# Altium PCB TempdevAmmy1009.PcbDoc (part 2 of 4) (continued)
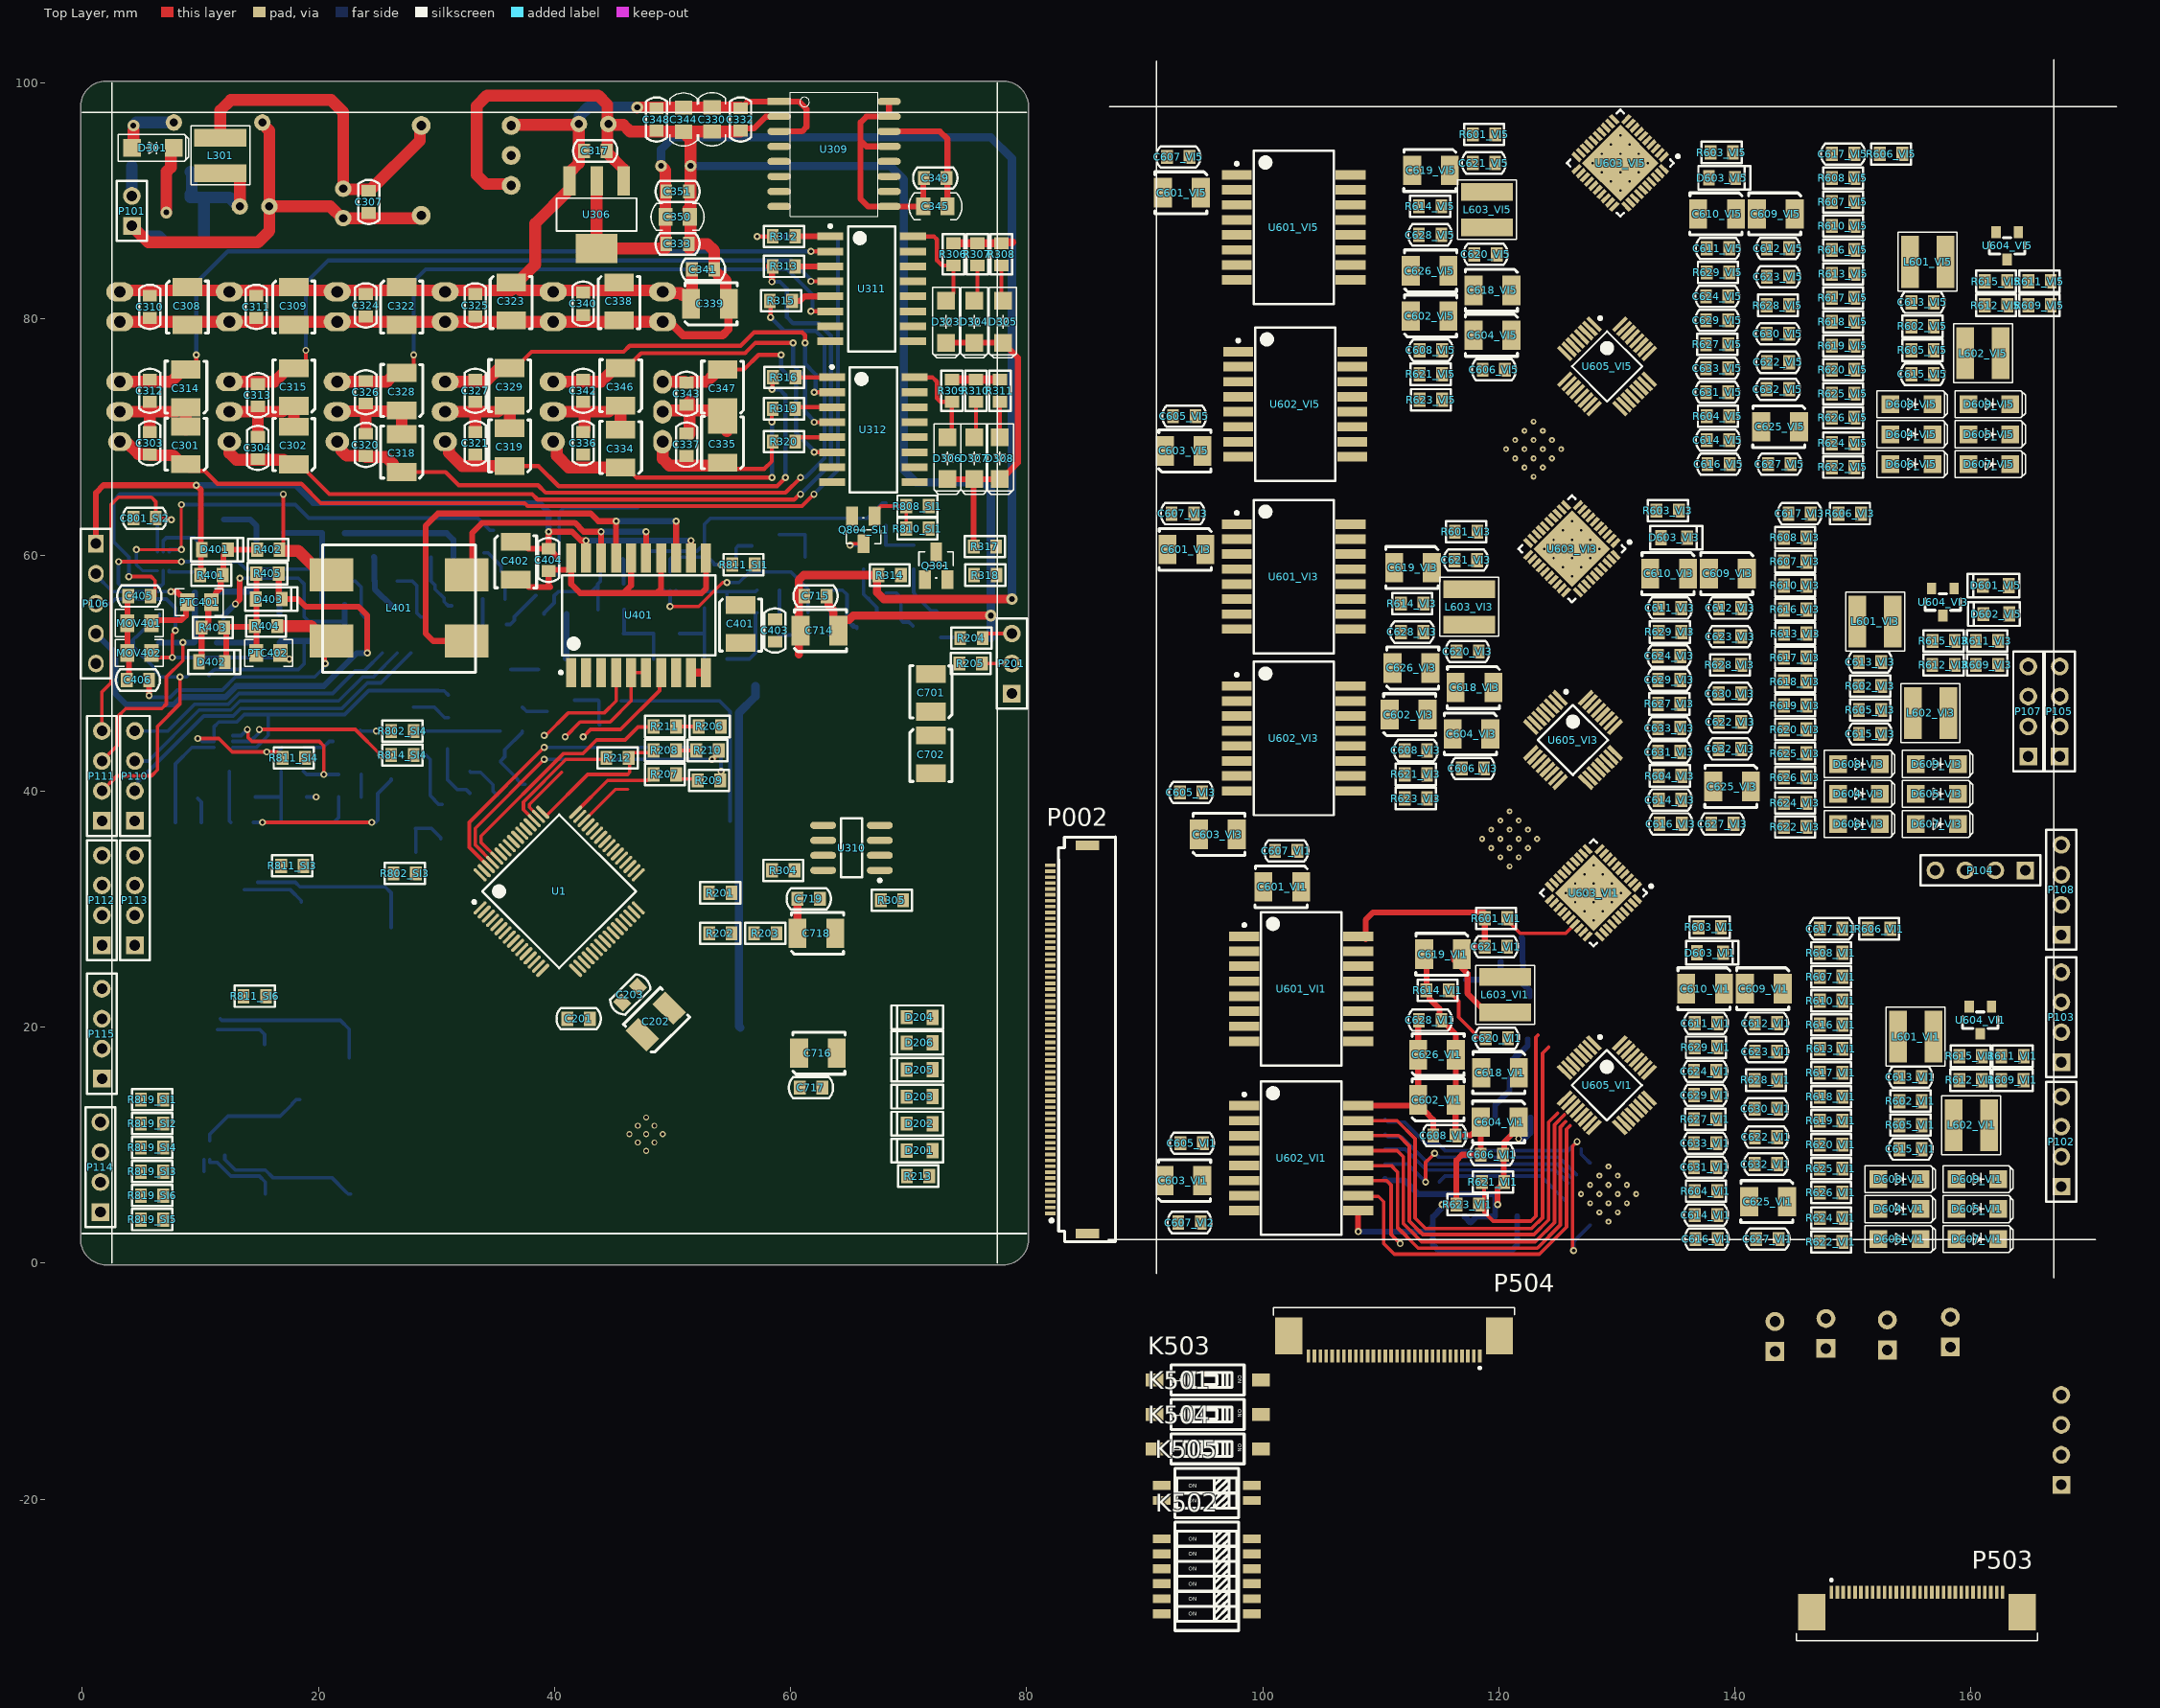
[diagram p0: Top Layer view]
## Components (designator, comment, footprint, x,y, rotation, side; value= is the part's Value field where it differs from the comment) (continued)
R626_VI5 "RT0603CRD0710KL" 0603R 149.159,71.628 r180 top (schematic designator R626)
R626_VI6 "RT0603CRD0710KL" 0603R 144.673,59.502 r180 bottom (schematic designator R626)
R627_VI1 "RC0603JR-07150KL" 0603R 137.48,12.192 r0 top (schematic designator R627)
R627_VI2 "RC0603JR-07150KL" 0603R 137.353,18.161 r0 bottom (schematic designator R627)
R627_VI3 "RC0603JR-07150KL" 0603R 134.432,47.371 r0 top (schematic designator R627)
R627_VI4 "RC0603JR-07150KL" 0603R 138.369,84.074 r0 bottom (schematic designator R627)
R627_VI5 "RC0603JR-07150KL" 0603R 138.496,77.851 r0 top (schematic designator R627)
R627_VI6 "RC0603JR-07150KL" 0603R 134.01,53.279 r0 bottom (schematic designator R627)
R628_VI1 "RC0603FR-071M62L" 0603R 142.621,15.494 r0 top (schematic designator R628)
R628_VI2 "RC0603FR-071M62L" 0603R 142.494,14.859 r0 bottom (schematic designator R628)
R628_VI3 "RC0603FR-071M62L" 0603R 139.573,50.673 r0 top (schematic designator R628)
R628_VI4 "RC0603FR-071M62L" 0603R 143.51,80.772 r0 bottom (schematic designator R628)
R628_VI5 "RC0603FR-071M62L" 0603R 143.637,81.153 r0 top (schematic designator R628)
R628_VI6 "RC0603FR-071M62L" 0603R 139.151,49.977 r0 bottom (schematic designator R628)
R629_VI1 "RC0603FR-071M62L" 0603R 137.541,18.288 r180 top (schematic designator R629)
R629_VI2 "RC0603FR-071M62L" 0603R 137.414,12.065 r180 bottom (schematic designator R629)
R629_VI3 "RC0603FR-071M62L" 0603R 134.493,53.467 r180 top (schematic designator R629)
R629_VI4 "RC0603FR-071M62L" 0603R 138.43,77.978 r180 bottom (schematic designator R629)
R629_VI5 "RC0603FR-071M62L" 0603R 138.557,83.947 r180 top (schematic designator R629)
R629_VI6 "RC0603FR-071M62L" 0603R 134.071,47.183 r180 bottom (schematic designator R629)
R701 "RC0805JR-075600RL" 0603R 47.818,18.542 r180 bottom value=5.6K
R702 "RC0805JR-071KL" 0603R 47.691,27.051 r180 bottom value=1K
R703 "RC0805JR-071KL" 0603R 47.691,22.987 r180 bottom value=1K
R704 "RC0805JR-07470RL" 0603R 51.623,20.828 r180 bottom value=470
R705 "RC0805JR-000KL" 0603R 51.623,16.51 r180 bottom value=0R
R706 "RC0805JR-071KL" 0603R 38.801,22.606 r0 bottom value=1K
R707 "RC0805JR-075600RL" 0603R 38.796,20.574 r0 bottom value=5.6K
R708 "RC0805JR-071KL" 0603R 38.801,18.542 r180 bottom value=1K
R801_SI1 "RC0805JR-0710KL" 0603R 67.122,58.801 r0 bottom value=10K (schematic designator R801)
R801_SI2 "RC0805JR-0710KL" 0603R 25.654,59.817 r0 bottom value=10K (schematic designator R801)
R801_SI3 "RC0805JR-0710KL" 0603R 32.065,29.464 r180 bottom value=10K (schematic designator R801)
R801_SI4 "RC0805JR-0710KL" 0603R 31.877,43.688 r0 bottom value=10K (schematic designator R801)
R801_SI5 "RC0805JR-0710KL" 0603R 28.768,5.08 r0 bottom value=10K (schematic designator R801)
R801_SI6 "RC0805JR-0710KL" 0603R 28.636,20.828 r0 bottom value=10K (schematic designator R801)
R802_SI1 "RC0805JR-0710KL" 0603R 62.164,59.817 r0 bottom value=10K (schematic designator R802)
R802_SI2 "RC0805JR-0710KL" 0603R 21.27,59.817 r0 bottom value=10K (schematic designator R802)
R802_SI3 "RC0805JR-0710KL" 0603R 27.305,33.02 r0 top value=10K (schematic designator R802)
R802_SI4 "RC0805JR-0710KL" 0603R 27.112,45.085 r0 top value=10K (schematic designator R802)
R802_SI5 "RC0805JR-0710KL" 0603R 23.622,7.874 r0 bottom value=10K (schematic designator R802)
R802_SI6 "RC0805JR-0710KL" 0603R 23.81,21.59 r0 bottom value=10K (schematic designator R802)
R803_SI1 "RC0805JR-0710KL" 0603R 62.164,61.722 r0 bottom value=10K (schematic designator R803)
R803_SI2 "RC0805JR-0710KL" 0603R 21.27,61.849 r0 bottom value=10K (schematic designator R803)
R803_SI3 "RC0805JR-0710KL" 0603R 27.305,32.893 r0 bottom value=10K (schematic designator R803)
R803_SI4 "RC0805JR-0710KL" 0603R 27.112,45.085 r0 bottom value=10K (schematic designator R803)
R803_SI5 "RC0805JR-0710KL" 0603R 23.622,9.779 r0 bottom value=10K (schematic designator R803)
R803_SI6 "RC0805JR-0710KL" 0603R 23.81,23.622 r0 bottom value=10K (schematic designator R803)
R804_SI1 "RC0805JR-0710KL" 0603R 67.122,56.769 r0 bottom value=10K (schematic designator R804)
R804_SI2 "RC0805JR-0710KL" 0603R 25.72,57.785 r0 bottom value=10K (schematic designator R804)
R804_SI3 "RC0805JR-0710KL" 0603R 36.322,47.117 r0 bottom value=10K (schematic designator R804)
R804_SI4 "RC0805JR-0710KL" 0603R 31.877,41.656 r0 bottom value=10K (schematic designator R804)
R804_SI5 "RC0805JR-0710KL" 0603R 28.768,7.112 r0 bottom value=10K (schematic designator R804)
R804_SI6 "RC0805JR-0710KL" 0603R 28.575,22.86 r0 bottom value=10K (schematic designator R804)
R805_SI1 "RC0805JR-0710KL" 0603R 71.374,58.801 r0 bottom value=10K (schematic designator R805)
R805_SI2 "RC0805JR-0710KL" 0603R 30.48,59.817 r0 bottom value=10K (schematic designator R805)
R805_SI3 "RC0805JR-0710KL" 0603R 44.704,47.752 r0 bottom value=10K (schematic designator R805)
R805_SI4 "RC0805JR-0710KL" 0603R 36.322,45.085 r180 bottom value=10K (schematic designator R805)
R805_SI5 "RC0805JR-0710KL" 0603R 28.641,14.859 r180 bottom value=10K (schematic designator R805)
R805_SI6 "RC0805JR-0710KL" 0603R 38.674,4.953 r180 bottom value=10K (schematic designator R805)
R806_SI1 "RC0805JR-0710KL" 0603R 71.44,56.769 r0 bottom value=10K (schematic designator R806)
R806_SI2 "RC0805JR-0710KL" 0603R 30.48,57.785 r0 bottom value=10K (schematic designator R806)
R806_SI3 "RC0805JR-0710KL" 0603R 44.704,45.847 r0 bottom value=10K (schematic designator R806)
R806_SI4 "RC0805JR-0710KL" 0603R 36.383,42.545 r0 bottom value=10K (schematic designator R806)
R806_SI5 "RC0805JR-0710KL" 0603R 28.641,12.827 r180 bottom value=10K (schematic designator R806)
R806_SI6 "RC0805JR-0710KL" 0603R 38.674,6.985 r180 bottom value=10K (schematic designator R806)
R807_SI1 "RC0805JR-0720RL" 0603R 67.117,60.833 r0 bottom value=20 (schematic designator R807)
R807_SI2 "RC0805JR-0720RL" 0603R 34.859,56.261 r0 bottom value=20 (schematic designator R807)
R807_SI3 "RC0805JR-0720RL" 0603R 31.303,35.941 r180 bottom value=20 (schematic designator R807)
R807_SI4 "RC0805JR-0720RL" 0603R 35.118,50.292 r180 bottom value=20 (schematic designator R807)
R807_SI5 "RC0805JR-0720RL" 0603R 23.622,11.684 r180 bottom value=20 (schematic designator R807)
R807_SI6 "RC0805JR-0720RL" 0603R 33.34,14.859 r0 bottom value=20 (schematic designator R807)
R808_SI1 "RC0805JR-0710KL" 0603R 70.739,64.135 r0 top value=10K (schematic designator R808)
R808_SI2 "RC0805JR-0710KL" 0603R 39.37,58.928 r0 bottom value=10K (schematic designator R808)
R808_SI3 "RC0805JR-0710KL" 0603R 38.674,11.049 r180 bottom value=10K (schematic designator R808)
R808_SI4 "RC0805JR-0710KL" 0603R 40.066,52.959 r180 bottom value=10K (schematic designator R808)
R808_SI5 "RC0805JR-0710KL" 0603R 33.34,7.112 r180 bottom value=10K (schematic designator R808)
R808_SI6 "RC0805JR-0710KL" 0603R 33.467,20.828 r180 bottom value=10K (schematic designator R808)
R809_SI1 "RC0805JR-0710KL" 0603R 71.374,60.833 r0 bottom value=10K (schematic designator R809)
R809_SI2 "RC0805JR-0710KL" 0603R 34.864,58.293 r180 bottom value=10K (schematic designator R809)
R809_SI3 "RC0805JR-0710KL" 0603R 27.305,34.798 r180 bottom value=10K (schematic designator R809)
R809_SI4 "RC0805JR-0710KL" 0603R 27.112,47.117 r180 bottom value=10K (schematic designator R809)
R809_SI5 "RC0805JR-0710KL" 0603R 23.622,13.589 r0 bottom value=10K (schematic designator R809)
R809_SI6 "RC0805JR-0710KL" 0603R 33.34,12.827 r180 bottom value=10K (schematic designator R809)
R810_SI1 "RC0805JR-0710KL" 0603R 70.739,62.23 r0 top value=10K (schematic designator R810)
R810_SI2 "RC0805JR-0710KL" 0603R 39.37,56.896 r0 bottom value=10K (schematic designator R810)
R810_SI3 "RC0805JR-0710KL" 0603R 38.669,9.017 r180 bottom value=10K (schematic designator R810)
R810_SI4 "RC0805JR-0710KL" 0603R 40.066,54.991 r180 bottom value=10K (schematic designator R810)
R810_SI5 "RC0805JR-0710KL" 0603R 33.34,5.08 r180 bottom value=10K (schematic designator R810)
R810_SI6 "RC0805JR-0710KL" 0603R 33.467,22.606 r180 bottom value=10K (schematic designator R810)
R811_SI1 "RC0805JR-0710KL" 0603R 56.007,59.182 r180 top value=10K (schematic designator R811)
R811_SI2 "RC0805JR-0710KL" 0603R 11.049,60.96 r180 bottom value=10K (schematic designator R811)
R811_SI3 "RC0805JR-0710KL" 0603R 17.78,33.655 r180 top value=10K (schematic designator R811)
R811_SI4 "RC0805JR-0710KL" 0603R 17.907,42.799 r180 top value=10K (schematic designator R811)
R811_SI5 "RC0805JR-0710KL" 0603R 14.666,9.144 r180 bottom value=10K (schematic designator R811)
R811_SI6 "RC0805JR-0710KL" 0603R 14.605,22.606 r180 top value=10K (schematic designator R811)
R812_SI1 "RC0805JR-0720RL" 0603R 54.483,59.182 r180 bottom value=20 (schematic designator R812)
R812_SI2 "RC0805JR-0720RL" 0603R 11.049,62.992 r180 bottom value=20 (schematic designator R812)
R812_SI3 "RC0805JR-0720RL" 0603R 17.719,33.655 r180 bottom value=20 (schematic designator R812)
R812_SI4 "RC0805JR-0720RL" 0603R 17.846,43.688 r180 bottom value=20 (schematic designator R812)
R812_SI5 "RC0805JR-0720RL" 0603R 14.666,11.176 r180 bottom value=20 (schematic designator R812)
R812_SI6 "RC0805JR-0720RL" 0603R 14.605,22.606 r180 bottom value=20 (schematic designator R812)
R813_SI1 "RC0805JR-0720RL" 0603R 62.418,57.023 r180 bottom value=20 (schematic designator R813)
R813_SI2 "RC0805JR-0720RL" 0603R 21.27,57.785 r180 bottom value=20 (schematic designator R813)
R813_SI3 "RC0805JR-0720RL" 0603R 27.112,30.48 r180 bottom value=20 (schematic designator R813)
R813_SI4 "RC0805JR-0720RL" 0603R 27.112,43.053 r180 bottom value=20 (schematic designator R813)
R813_SI5 "RC0805JR-0720RL" 0603R 23.622,5.588 r180 bottom value=20 (schematic designator R813)
R813_SI6 "RC0805JR-0720RL" 0603R 23.556,17.399 r180 bottom value=20 (schematic designator R813)
R814_SI1 "RC0805JR-0710KL" 0603R 62.418,55.118 r180 bottom value=10K (schematic designator R814)
R814_SI2 "RC0805JR-0710KL" 0603R 21.27,55.753 r180 bottom value=10K (schematic designator R814)
R814_SI3 "RC0805JR-0710KL" 0603R 27.112,28.448 r180 bottom value=10K (schematic designator R814)
R814_SI4 "RC0805JR-0710KL" 0603R 27.112,43.053 r180 top value=10K (schematic designator R814)
R814_SI5 "RC0805JR-0710KL" 0603R 23.622,3.556 r180 bottom value=10K (schematic designator R814)
R814_SI6 "RC0805JR-0710KL" 0603R 23.556,15.494 r180 bottom value=10K (schematic designator R814)
R815_SI1 "RC0805JR-07100RL" 0603R 53.655,55.499 r0 bottom value=100R (schematic designator R815)
R815_SI2 "RC0805JR-07100RL" 0603R 10.541,56.896 r0 bottom value=100R (schematic designator R815)
R815_SI3 "RC0805JR-07100RL" 0603R 17.526,30.353 r0 bottom value=100R (schematic designator R815)
R815_SI4 "RC0805JR-07100RL" 0603R 17.78,41.656 r0 bottom value=100R (schematic designator R815)
R815_SI5 "RC0805JR-07100RL" 0603R 14.539,5.842 r0 bottom value=100R (schematic designator R815)
R815_SI6 "RC0805JR-07100RL" 0603R 14.478,18.542 r0 bottom value=100R (schematic designator R815)
R816_SI1 "RC0805JR-071KL" 0603R 53.655,51.181 r180 bottom value=1K (schematic designator R816)
R816_SI2 "RC0805JR-071KL" 0603R 10.414,52.578 r180 bottom value=1K (schematic designator R816)
R816_SI3 "RC0805JR-071KL" 0603R 17.587,26.416 r180 bottom value=1K (schematic designator R816)
R816_SI4 "RC0805JR-071KL" 0603R 17.714,37.338 r180 bottom value=1K (schematic designator R816)
R816_SI5 "RC0805JR-071KL" 0603R 14.412,1.524 r180 bottom value=1K (schematic designator R816)
R816_SI6 "RC0805JR-071KL" 0603R 14.158,14.351 r180 bottom value=1K (schematic designator R816)
R817_SI1 "RC0805JR-071KL" 0603R 49.337,51.181 r180 bottom value=1K (schematic designator R817)
R817_SI2 "RC0805JR-071KL" 0603R 10.033,49.911 r180 bottom value=1K (schematic designator R817)
R817_SI3 "RC0805JR-071KL" 0603R 13.015,26.416 r180 bottom value=1K (schematic designator R817)
R817_SI4 "RC0805JR-071KL" 0603R 13.523,37.338 r180 bottom value=1K (schematic designator R817)
R817_SI5 "RC0805JR-071KL" 0603R 10.348,3.683 r180 bottom value=1K (schematic designator R817)
R817_SI6 "RC0805JR-071KL" 0603R 9.718,14.986 r180 bottom value=1K (schematic designator R817)
R818_SI1 "RC0805JR-07100RL" 0603R 44.897,53.34 r0 bottom value=100R (schematic designator R818)
R818_SI2 "RC0805JR-07100RL" 0603R 5.527,49.784 r0 bottom value=100R (schematic designator R818)
R818_SI3 "RC0805JR-07100RL" 0603R 8.575,24.638 r0 bottom value=100R (schematic designator R818)
R818_SI4 "RC0805JR-07100RL" 0603R 13.396,41.656 r180 bottom value=100R (schematic designator R818)
R818_SI5 "RC0805JR-07100RL" 0603R 6.035,3.683 r0 bottom value=100R (schematic designator R818)
R818_SI6 "RC0805JR-07100RL" 0603R 5.781,12.446 r0 bottom value=100R (schematic designator R818)
R819_SI1 "RC0805JR-07470RL" 0603R 5.908,13.843 r180 top value=470 (schematic designator R819)
R819_SI2 "RC0805JR-07470RL" 0603R 5.908,11.811 r180 top value=470 (schematic designator R819)
R819_SI3 "RC0805JR-07470RL" 0603R 5.908,7.747 r180 top value=470 (schematic designator R819)
R819_SI4 "RC0805JR-07470RL" 0603R 5.908,9.779 r180 top value=470 (schematic designator R819)
R819_SI5 "RC0805JR-07470RL" 0603R 5.908,3.683 r180 top value=470 (schematic designator R819)
R819_SI6 "RC0805JR-07470RL" 0603R 5.908,5.715 r180 top value=470 (schematic designator R819)
U1 "STC8H8K64U_QFN64" LQFP64S(12X12) 40.386,31.496 r45 top (schematic designator U201)
U301 "A05_S-1WR3" A_S-1WR3#1 3.175,82.296 r270 bottom
U302 "A05_S-1WR3" A_S-1WR3#1 12.446,82.296 r270 bottom
U303 "WRB_ST(SD)-3WR2" WRB_SD-3WR2 28.702,88.773 r0 bottom
U304 "A05_S-1WR3" A_S-1WR3#1 21.59,82.296 r270 bottom locked
U305 "A05_S-1WR3" A_S-1WR3#1 30.734,82.296 r270 bottom
U306 "LM1117IMP" SOT-223 43.561,91.694 r90 top
U307 "A05_S-1WR3" A_S-1WR3#1 39.878,82.296 r270 bottom
U308 "A05_S-1WR3" A_S-1WR3#2 49.149,82.296 r270 bottom
U309 "B0505ST16-W5" SOP16-1.27(V2) 59.026,98.425 r0 top
U310 "HCPL063A" SOIC-8 65.151,35.179 r180 top
U311 "TLP293-4" SO-16 63.302,86.995 r0 top
U312 "TLP293-4" SO-16 63.444,75.057 r0 top
U401 "ADM2582E" SOIC-20-W 41.402,50.062 r90 top
U501 "TPS61040DBV" SOT-23-5 126.426,-6.723 r90 bottom
U503 "TPS61040DBV" SOT-23-5 126.426,-13.387 r90 bottom
U601_VI1 "ADuM262N" SOIC-16(RI-16-2) 103.251,23.241 r0 top (schematic designator U601)
U601_VI2 "ADuM262N" SOIC-16(RI-16-2) 105.537,11.557 r0 bottom (schematic designator U601)
U601_VI3 "ADuM262N" SOIC-16(RI-16-2) 102.616,58.166 r0 top (schematic designator U601)
U601_VI4 "ADuM262N" SOIC-16(RI-16-2) 102.234,75.946 r0 bottom (schematic designator U601)
U601_VI5 "ADuM262N" SOIC-16(RI-16-2) 102.616,87.757 r0 top (schematic designator U601)
U601_VI6 "ADuM262N" SOIC-16(RI-16-2) 103.378,46.482 r0 bottom (schematic designator U601)
U602_VI1 "ADuM262N" SOIC-16(RI-16-2) 103.251,8.89 r0 top (schematic designator U602)
U602_VI2 "ADuM262N" SOIC-16(RI-16-2) 105.41,24.892 r0 bottom (schematic designator U602)
U602_VI3 "ADuM262N" SOIC-16(RI-16-2) 102.617,44.45 r0 top (schematic designator U602)
U602_VI4 "ADuM262N" SOIC-16(RI-16-2) 102.236,90.043 r0 bottom (schematic designator U602)
U602_VI5 "ADuM262N" SOIC-16(RI-16-2) 102.743,72.771 r0 top (schematic designator U602)
U602_VI6 "ADuM262N" SOIC-16(RI-16-2) 103.378,60.452 r0 bottom (schematic designator U602)
U603_VI1 "AD5753" CP-40-15(QFN40) 128.016,31.369 r225 top (schematic designator U603)
U603_VI2 "AD5753" CP-40-15(QFN40) 129.286,5.842 r135 bottom (schematic designator U603)
U603_VI3 "AD5753" CP-40-15(QFN40) 126.188,60.519 r225 top (schematic designator U603)
U603_VI4 "AD5753" CP-40-15(QFN40) 122.936,68.961 r135 bottom (schematic designator U603)
U603_VI5 "AD5753" CP-40-15(QFN40) 130.28,93.212 r225 top (schematic designator U603)
U603_VI6 "AD5753" CP-40-15(QFN40) 120.904,35.941 r135 bottom (schematic designator U603)
U604_VI1 "TL431" TL431 160.796,20.621 r180 top (schematic designator U604)
U604_VI2 "TL431" TL431 161.939,9.859 r180 bottom (schematic designator U604)
U604_VI3 "TL431" TL431 157.621,56.054 r180 top (schematic designator U604)
U604_VI4 "TL431" TL431 162.955,75.645 r180 bottom (schematic designator U604)
U604_VI5 "TL431" TL431 163.068,86.233 r180 top (schematic designator U604)
U604_VI6 "TL431" TL431 158.623,45.085 r180 bottom (schematic designator U604)
U605_VI1 "DAC8742H" S-PQFP-G32 129.144,15.066 r315 top (schematic designator U605)
U605_VI2 "DAC8742H" S-PQFP-G32 129.57,22.858 r45 bottom (schematic designator U605)
U605_VI3 "DAC8742H" S-PQFP-G32 126.268,44.321 r315 top (schematic designator U605)
U605_VI4 "DAC8742H" S-PQFP-G32 125.887,85.088 r45 bottom (schematic designator U605)
U605_VI5 "DAC8742H" S-PQFP-G32 129.161,75.976 r315 top (schematic designator U605)
U605_VI6 "DAC8742H" S-PQFP-G32 126.238,51.181 r45 bottom (schematic designator U605)
U701 "AD7124-8" TI-RHB32-3150X3150TP_V 47.752,10.922 r45 bottom
U702 "ADuM260N" SOIC-16 57.023,34.034 r270 bottom
U703 "ADuM260N" SOIC-16 57.023,48.893 r270 bottom
U704 "ADuM241D" SOIC-16 57.023,19.81 r270 bottom

## Footprints (in the part's own frame and the unit in brackets; to place one, negate y for a bottom-side part, rotate by r counter-clockwise, add the part's x,y. Pads: shape width x height; smd on the part's side, far side on the other; paste and mask are expansions set on the pad)
1.27-6P-TPHS [mil]
  rect 60x30 smd mask+2: 1(0,1.5) 2(0,-48.5) 3(0,-98.5) 4(0,-148.5) 5(0,-198.5) 6(0,-248.5) 7(300,-248.5) 8(300,-198.5) 9(300,-148.5) 10(300,-98.5) 11(300,-48.5) 12(300,1.5)
  silkscreen extent 44,-305 256,58
3-1734839-0 [mm]
  rect 0.3x1.1 smd: 1(1.64,1.778) 2(2.14,1.778) 3(2.64,1.778) 4(3.14,1.778) 5(3.64,1.778) 6(4.14,1.778) 7(4.64,1.778) 8(5.14,1.778) 9(5.64,1.778) 10(6.14,1.778) 11(6.64,1.778) 12(7.14,1.778) 13(7.64,1.778) 14(8.14,1.778) 15(8.64,1.778) 16(9.14,1.778) 17(9.64,1.778) 18(10.14,1.778) 19(10.64,1.778) 20(11.14,1.778) 21(11.64,1.778) 22(12.14,1.778) 23(12.64,1.778) 24(13.14,1.778) 25(13.64,1.778) 26(14.14,1.778) 27(14.64,1.778) 28(15.14,1.778) 29(15.64,1.778) 30(16.14,1.778)
  rect 2.3x3.1 smd: S1(-0.03,0.078) S2(17.81,0.078)
  silkscreen extent -1.33,-2.32 19.11,2.9, body extent -1.33,-2.95 19.1,2.16, height 2.1
10D470K [mm]
  round 1.4 hole 0.7: 1(-3.75,0) 2(3.75,0)
  silkscreen extent -6.5,-2.7 6.5,2.7
0603C [mm]
  rect 1x1.2 smd: 1(-0.95,0) 2(0.95,0)
  silkscreen extent -1.87,-0.9 1.87,0.9, body extent -0.8,-0.43 0.8,0.43, height 0.83
0603R [mm]
  rect 1x1.2 smd: 1(-0.95,0) 2(0.95,0)
  silkscreen extent -1.7,-0.9 1.7,0.9, body extent -0.8,-0.43 0.8,0.43, height 0.48
0805C [mm]
  rect 1.2x1.5 smd: 1(-1.016,0) 2(1.032,0)
  silkscreen extent -2.25,-1.14 2.25,1.14, body extent -1,-0.64 1,0.65, height 1.28
0805R [mm]
  rect 1.2x1.5 smd: 1(-1.016,0) 2(1.032,0)
  silkscreen extent -2.03,-1.14 2.03,1.14, body extent -1,-0.62 1,0.63, height 0.53
A_S-1WR3#1 [mm]
  oval 1.6x2.3 hole 1: 1(0,0) 2(2.54,0) 4(7.62,0) 5(10.16,0)
  oval 1.6x2 hole 1: 6(12.7,0)
  silkscreen extent -2.85,-5.6 17.9,1.7, body extent -2.46,-5.16 17.19,0.84, height 10.16
A_S-1WR3#2 [mm]
  oval 1.6x2.3 hole 1: 1(0,0) 2(2.54,0)
  oval 2x1.6 hole 1: 4(7.62,0) 5(10.16,0) 6(12.7,0)
  silkscreen extent -2.85,-5.6 17.9,1.7, body extent -2.46,-5.16 17.19,0.84, height 10.16
ACM1513-改版 [mm] "原封装引脚错了-改版将引脚更改"
  rect 3.7x2.8 smd: 1(0,0) 2(0,5.611) 3(11.468,5.611) 4(11.468,0)
  silkscreen extent -0.75,-2.54 12.19,8.26, body extent -1.79,-3.6 13.22,9.4, height 5.87
CB [mm]
  rect 2.5x1.524 smd: 1(0,0) 2(0,-3.2)
  silkscreen extent -1.78,-3.9 1.78,0.51, body extent -0.67,-3.12 0.93,0.08, height 1.6
CE-5*11(-) [mm]
  round 1 hole 0.5: 1(-1.25,0) 2(1.25,0)
  silkscreen extent -3.43,-2.6 3.05,2.6, body extent -2.6,-2.64 2.6,2.54, height 11.47
CE-6.3*11.5(-) [mm]
  round 1.4 hole 0.7: 1(-1.25,0) 2(1.25,0)
  silkscreen extent -4.06,-3.2 3.68,3.2, body extent -3.16,-3.15 3.15,3.15, height 11.51
CP-40-15(QFN40) [mm] "QFN, 40-Leads, Body 6.00x6.00mm, Pitch 0.50mm, Thermal Pad 4.60x4.60mm, IPC Low Density"
  rect 0.95x0.35 smd: 1(-2.975,2.25) 2(-2.975,1.75) 3(-2.975,1.25) 4(-2.975,0.75) 5(-2.975,0.25) 6(-2.975,-0.25) 7(-2.975,-0.75) 8(-2.975,-1.25) 9(-2.975,-1.75) 10(-2.975,-2.25) 21(2.975,-2.25) 22(2.975,-1.75) 23(2.975,-1.25) 24(2.975,-0.75) 25(2.975,-0.25) 26(2.975,0.25) 27(2.975,0.75) 28(2.975,1.25) 29(2.975,1.75) 30(2.975,2.25)
  rect 0.35x0.95 smd: 11(-2.25,-2.975) 12(-1.75,-2.975) 13(-1.25,-2.975) 14(-0.75,-2.975) 15(-0.25,-2.975) 16(0.25,-2.975) 17(0.75,-2.975) 18(1.25,-2.975) 19(1.75,-2.975) 20(2.25,-2.975) 31(2.25,2.975) 32(1.75,2.975) 33(1.25,2.975) 34(0.75,2.975) 35(0.25,2.975) 36(-0.25,2.975) 37(-0.75,2.975) 38(-1.25,2.975) 39(-1.75,2.975) 40(-2.25,2.975)
  rect 4.6x4.6 smd: 41(0,0)
  silkscreen extent -3.97,-3.2 3.2,3.2, body extent -3.1,-3.1 3.1,3.1, height 1
DSHP02TSGET [mil]
  rect 60x30 smd mask+2: 1(0,2.68) 2(0,-47.32) 3(300,-47.32) 4(300,2.68)
  silkscreen extent 44,-105 256,60
FPC60 [mm]
  rect 0.3x0.9 smd: 1(0.01,-0.088) 2(0.51,-0.088) 3(1.01,-0.088) 4(1.51,-0.088) 5(2.01,-0.088) 6(2.51,-0.088) 7(3.01,-0.088) 8(3.51,-0.088) 9(4.01,-0.088) 10(4.51,-0.088) 11(5.01,-0.088) 12(5.51,-0.088) 13(6.01,-0.088) 14(6.51,-0.088) 15(7.01,-0.088) 16(7.51,-0.088) 17(8.01,-0.088) 18(8.51,-0.088) 19(9.01,-0.088) 20(9.51,-0.088) 21(10.01,-0.088) 22(10.51,-0.088) 23(11.01,-0.088) 24(11.51,-0.088) 25(12.01,-0.088) 26(12.51,-0.088) 27(13.01,-0.088) 28(13.51,-0.088) 29(14.01,-0.088) 30(14.51,-0.088) 31(15.01,-0.088) 32(15.51,-0.088) 33(16.01,-0.088) 34(16.51,-0.088) 35(17.01,-0.088) 36(17.51,-0.088) 37(18.01,-0.088) 38(18.51,-0.088) 39(19.01,-0.088) 40(19.51,-0.088) 41(20.01,-0.088) 42(20.51,-0.088) 43(21.01,-0.088) 44(21.51,-0.088) 45(22.01,-0.088) 46(22.51,-0.088) 47(23.01,-0.088) 48(23.51,-0.088) 49(24.01,-0.088) 50(24.51,-0.088) 51(25.01,-0.088) 52(25.51,-0.088) 53(26.01,-0.088) 54(26.51,-0.088) 55(27.01,-0.088) 56(27.51,-0.088) 57(28.01,-0.088) 58(28.51,-0.088) 59(29.01,-0.088) 60(29.51,-0.088)
  rect 0.8x2 smd: 61(31.21,-3.238) 62(-1.69,-3.238)
  silkscreen extent -2.39,-5.59 31.91,-0.05
HDR1X2 [mm] "Connector; Header; 2 Position"
  rect 1.5x1.5 hole 0.9: 1(0,0)
  round 1.5 hole 0.9: 2(2.54,0)
  silkscreen extent -1.27,-1.27 3.81,1.27
HDR1X3 [mm] "Connector; Header; 3 Position"
  rect 1.5x1.5 hole 0.9: 1(0,0)
  round 1.5 hole 0.9: 2(2.54,0) 3(5.08,0)
  silkscreen extent -1.27,-1.27 6.35,1.27
HDR1X4 [mm]
  rect 1.5x1.5 hole 0.9: 1(0,0)
  round 1.5 hole 0.9: 2(2.54,0) 3(5.08,0) 4(7.62,0)
  silkscreen extent -1.27,-1.27 8.89,1.27, body extent -1.27,-1.27 8.89,1.27, height 8.89
HDR1X5 [mm] "Connector; Header; 5 Position"
  rect 1.5x1.3 hole 0.9: 1(0,0)
  oval 1.5x1.3 hole 0.9: 2(2.54,0) 3(5.08,0) 4(7.62,0) 5(10.16,0)
  silkscreen extent -1.27,-1.27 11.43,1.27
LED-3 [mm]
  rect 1.6x1.6 hole 0.9: 1(1.27,0)
  round 1.6 hole 0.9: 2(-1.27,0)
  silkscreen extent -2.2,-1.6 2.2,1.6
LQFP64S(12X12) [mm]
  oval 1.45x0.3 smd: 1(-5.725,3.75) 2(-5.725,3.25) 3(-5.725,2.75) 4(-5.725,2.25) 5(-5.725,1.75) 6(-5.725,1.25) 7(-5.725,0.75) 8(-5.725,0.25) 9(-5.725,-0.25) 10(-5.725,-0.75) 11(-5.725,-1.25) 12(-5.725,-1.75) 13(-5.725,-2.25) 14(-5.725,-2.75) 15(-5.725,-3.25) 16(-5.725,-3.75) 33(5.725,-3.75) 34(5.725,-3.25) 35(5.725,-2.75) 36(5.725,-2.25) 37(5.725,-1.75) 38(5.725,-1.25) 39(5.725,-0.75) 40(5.725,-0.25) 41(5.725,0.25) 42(5.725,0.75) 43(5.725,1.25) 44(5.725,1.75) 45(5.725,2.25) 46(5.725,2.75) 47(5.725,3.25) 48(5.725,3.75)
  oval 0.3x1.45 smd: 17(-3.75,-5.725) 18(-3.25,-5.725) 19(-2.75,-5.725) 20(-2.25,-5.725) 21(-1.75,-5.725) 22(-1.25,-5.725) 23(-0.75,-5.725) 24(-0.25,-5.725) 25(0.25,-5.725) 26(0.75,-5.725) 27(1.25,-5.725) 28(1.75,-5.725) 29(2.25,-5.725) 30(2.75,-5.725) 31(3.25,-5.725) 32(3.75,-5.725) 49(3.75,5.725) 50(3.25,5.725) 51(2.75,5.725) 52(2.25,5.725) 53(1.75,5.725) 54(1.25,5.725) 55(0.75,5.725) 56(0.25,5.725) 57(-0.25,5.725) 58(-0.75,5.725) 59(-1.25,5.725) 60(-1.75,5.725) 61(-2.25,5.725) 62(-2.75,5.725) 63(-3.25,5.725) 64(-3.75,5.725)
  silkscreen extent -5.85,-4.6 4.6,4.6, body extent -5,-5 5,5, height 1.6
S-PQFP-G32 [mm] "TSQFP, 32-Leads, Body 5.00x5.00mm, Pitch 0.50mm, IPC Low Density"
  rect 1.6x0.35 smd: 1(-3.3,1.75) 2(-3.3,1.25) 3(-3.3,0.75) 4(-3.3,0.25) 5(-3.3,-0.25) 6(-3.3,-0.75) 7(-3.3,-1.25) 8(-3.3,-1.75) 17(3.3,-1.75) 18(3.3,-1.25) 19(3.3,-0.75) 20(3.3,-0.25) 21(3.3,0.25) 22(3.3,0.75) 23(3.3,1.25) 24(3.3,1.75)
  rect 0.35x1.6 smd: 9(-1.75,-3.3) 10(-1.25,-3.3) 11(-0.75,-3.3) 12(-0.25,-3.3) 13(0.25,-3.3) 14(0.75,-3.3) 15(1.25,-3.3) 16(1.75,-3.3) 25(1.75,3.3) 26(1.25,3.3) 27(0.75,3.3) 28(0.25,3.3) 29(-0.25,3.3) 30(-0.75,3.3) 31(-1.25,3.3) 32(-1.75,3.3)
  silkscreen extent -3.42,-2.1 2.1,2.6, body extent -3.5,-3.5 3.5,3.5, height 1.2
SO-16 [mm]
  rect 2.2x0.65 smd: 1(0.056,0) 2(0.056,-1.27) 3(0.056,-2.54) 4(0.056,-3.81) 5(0.056,-5.08) 6(0.056,-6.35) 7(0.056,-7.62) 8(0.056,-8.89) 9(7.056,-8.89) 10(7.056,-7.62) 11(7.056,-6.35) 12(7.056,-5.08) 13(7.056,-3.81) 14(7.056,-2.54) 15(7.056,-1.27) 16(7.056,0)
  silkscreen extent -0.07,-9.74 5.56,1, body extent 0.57,-9.44 6.48,0.55, height 1.45
SOD123 [mm]
  rect 1.5x1.5 smd: 1(-1.778,0) 2(1.778,0)
  silkscreen extent -2.92,-1.14 3.05,1.14, body extent -1.95,-0.9 1.95,0.9, height 1.18
SOD323 [mm]
  rect 1x1.2 smd: 1(-1.1,0)
  rect 1x1.3 smd: 2(1.1,0)
  silkscreen extent -2.41,-1 2,1, body extent -1.43,-0.72 1.17,0.63, height 1.1
SOD523 [mm]
  rect 0.9x1.2 smd: 1(-0.8,0) 2(0.8,0)
  silkscreen extent -1.91,-0.8 1.3,0.8
SOIC-8 [mm]
  oval 2.2x0.6 smd: 1(-2.4,1.905) 2(-2.4,0.635) 3(-2.4,-0.635) 4(-2.4,-1.905) 5(2.4,-1.905) 6(2.4,-0.635) 7(2.4,0.635) 8(2.4,1.905)
  silkscreen extent -2.53,-2.5 0.9,2.88, body extent -2.87,-2.92 3.13,2.92, height 3.48
SOIC-16 [mm]
  rect 2.54x0.8 smd: 1(0,0) 2(0,-1.27) 3(0,-2.54) 4(0,-3.81) 5(0,-5.08) 6(0,-6.35) 7(0,-7.62) 8(0,-8.89) 9(9.65,-8.89) 10(9.65,-7.62) 11(9.65,-6.35) 12(9.65,-5.08) 13(9.65,-3.81) 14(9.65,-2.54) 15(9.65,-1.27) 16(9.65,0)
  silkscreen extent -0.12,-10.94 8.23,2.05, body extent -0.49,-9.7 10.14,0.8, height 2.72
SOIC-16(RI-16-2) [mm]
  rect 2.54x0.8 smd: 1(-4.825,4.445) 2(-4.825,3.175) 3(-4.825,1.905) 4(-4.825,0.635) 5(-4.825,-0.635) 6(-4.825,-1.905) 7(-4.825,-3.175) 8(-4.825,-4.445) 9(4.825,-4.445) 10(4.825,-3.175) 11(4.825,-1.905) 12(4.825,-0.635) 13(4.825,0.635) 14(4.825,1.905) 15(4.825,3.175) 16(4.825,4.445)
  silkscreen extent -4.95,-6.5 3.4,6.5, body extent -5.15,-6.5 5.15,6.5, height 2.64
SOIC-20-W [mm]
  rect 2.5x0.85 smd: 1(-0.024,0) 2(-0.024,-1.27) 3(-0.024,-2.54) 4(-0.024,-3.81) 5(-0.024,-5.08) 6(-0.024,-6.35) 7(-0.024,-7.62) 8(-0.024,-8.89) 9(-0.024,-10.16) 10(-0.024,-11.43) 11(9.676,-11.43) 12(9.676,-10.16) 13(9.676,-8.89) 14(9.676,-7.62) 15(9.676,-6.35) 16(9.676,-5.08) 17(9.676,-3.81) 18(9.676,-2.54) 19(9.676,-1.27) 20(9.676,0)
  silkscreen extent -0.15,-12.21 8.23,1, body extent -0.62,-12.21 10.01,0.79, height 2.66
SOP16-1.27(V2) [mm] "金升阳2"
  rect 2x0.6 smd: 1(0,0)
  oval 2x0.6 smd: 2(0,-1.27) 3(0,-2.54) 4(0,-3.81) 5(0,-5.08) 6(0,-6.35) 7(0,-7.62) 8(0,-8.89) 9(9.3,-8.89) 10(9.3,-7.62) 11(9.3,-6.35) 12(9.3,-5.08) 13(9.3,-3.81) 14(9.3,-2.54) 15(9.3,-1.27) 16(9.3,0)
  oval 0.7x0.5 on Top Overlay mask+0.051: ""(0.21,0.762)
  silkscreen extent 0.95,-9.74 8.35,0.78, body extent -0.74,-9.7 9.89,0.81, height 2.62
SOT563 [mm]
  rect 0.8x0.25 smd: 1(-0.038,-0.008) 2(-0.038,-0.508) 3(-0.038,-1.008) 4(1.562,-1.008) 5(1.562,-0.508) 6(1.562,-0.008)
  silkscreen extent -0.76,-1.65 2.29,1.14, body extent 0,-1.31 1.62,0.29, height 0.59
SOT-23 [mm] "MMSS8050"
  rect 1x1.6 smd: 1(0.955,2.335) 2(0,0) 3(1.91,0)
  silkscreen extent -0.5,0.14 2.42,2.34, body extent -0.58,-0.12 2.42,2.52, height 1.08
SOT-23(SS8050) [mm]
  rect 1x1.6 smd: 1(0,0) 2(1.91,0) 3(0.955,2.335)
  silkscreen extent -0.5,0.14 2.42,2.34, body extent -0.5,-0.14 2.5,2.5, height 1.08
SOT-23-5 [mm]
  rect 1x0.6 smd mask+0.051: 1(-0.202,0.701) 2(-0.202,1.651) 3(-0.202,2.601) 4(-2.802,2.601) 5(-2.802,0.701)
  silkscreen extent -2.4,-0.13 0.15,3.2, body extent -2.77,0.15 -0.27,3.15, height 1.15
SOT-223 [mm]
  rect 2.465x1.05 smd: 1(0,-2.3) 2(0,0) 3(0,2.3)
  rect 2.465x3.54 smd: 2(-5.715,0)
  silkscreen extent -4.25,-3.4 -1.46,3.4, body extent -6.27,-3.25 0.69,3.25, height 1.8